# Altium PCB FMC_ADC_128CH_10B.PcbDoc (part 7 of 14) (continued)
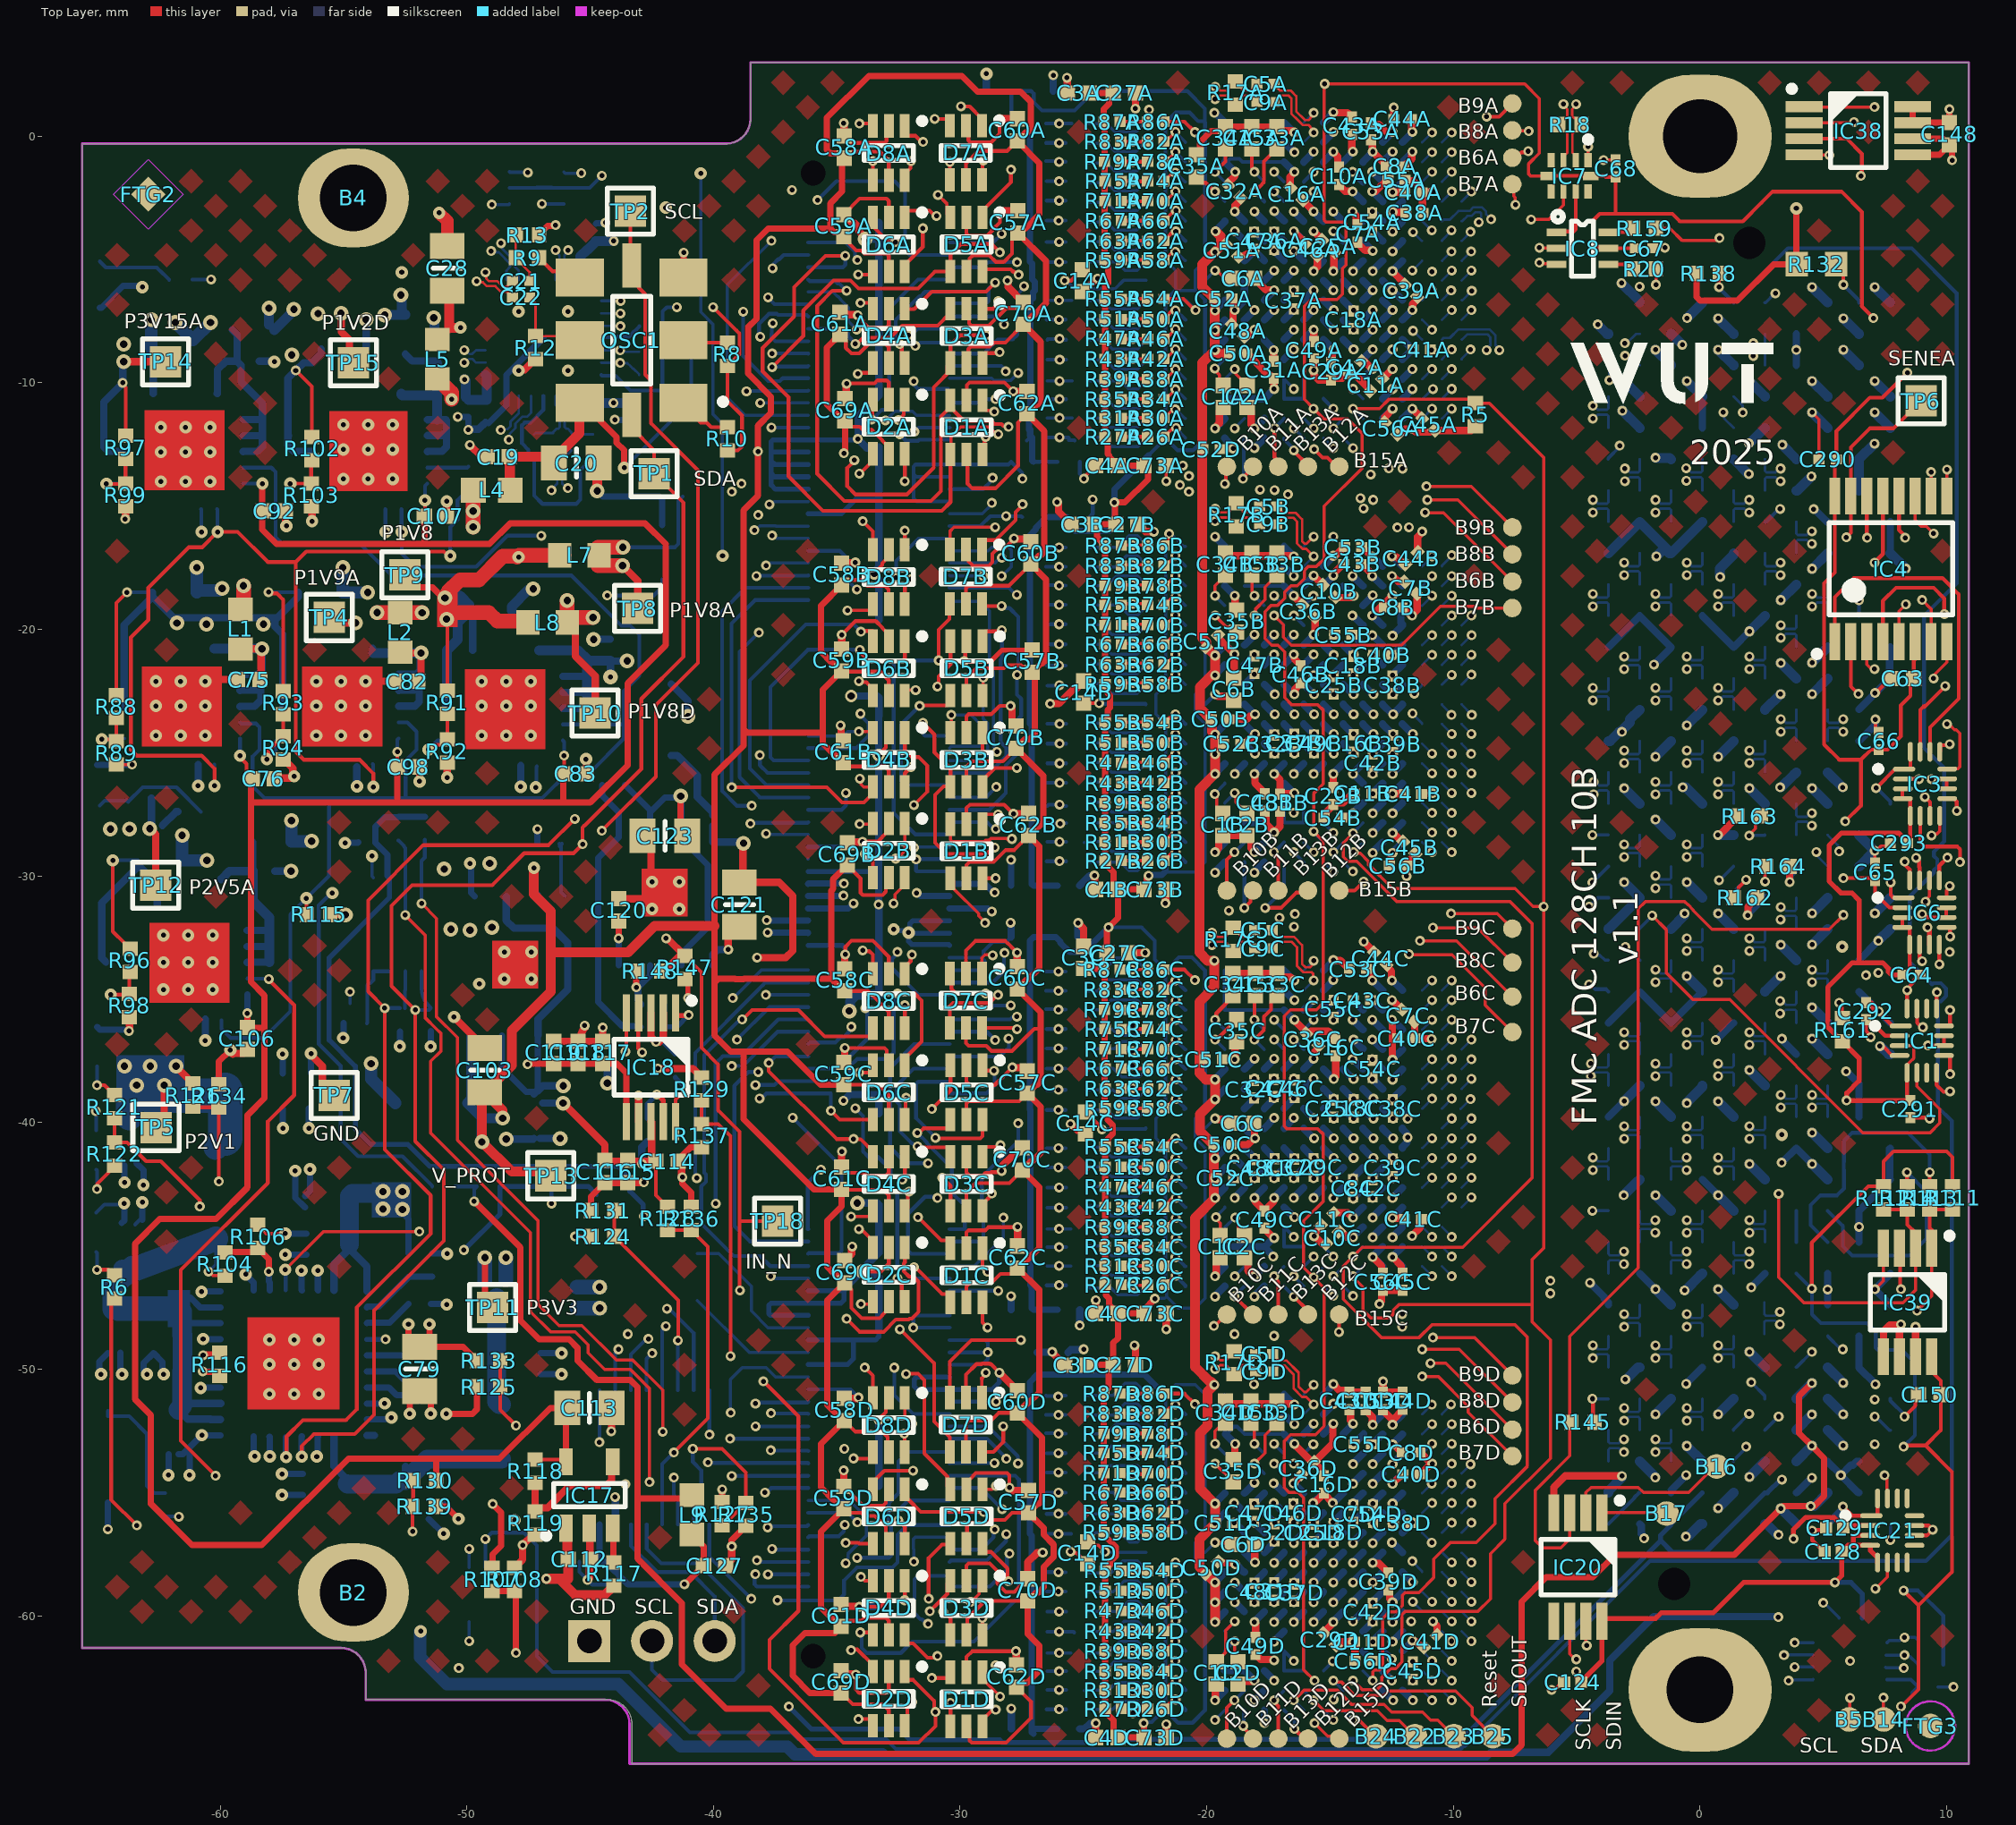
[diagram p0: Top Layer view]
## Nets (pads, with @x,y where several pads share a name; then routed paths per layer and width w, separated by ;. In a path a pad name is that pad's centre, name@x,y a point inside that pad or via, vN(x,y) a via of type N, cw(c..) or ccw(c..) an arc to the next point about the centre after c; other vN are vias at no path point) (continued)
  Top Layer w0.3: v1(-63.848,-15.519) -63.833,-15.504 R99.1@-63.833,-15.013 ; v1(-63.697,-36.283) -63.678,-36.264 R98.1@-63.678,-35.714 ; v2(-60.6,-22.1) -60.529,-22.029 C75.2@-59.287,-22.029 ; v2(-59.587,-37.058) -59.587,-37.117 -59.485,-37.219 -59.46,-37.194 -59.056,-37.194 C106.1@-58.896,-37.034 ; C76.1@-57.801,-26.052 -57.779,-26.03 -57.101,-26.03 -57.078,-26.007 -57.052,-26.007 v2(-57,-25.955) -57.052,-25.903 -57.052,-25.633 -57.359,-25.326 R94.1@-57.359,-25.301 ; C92.1@-57.351,-15.195 -57.351,-15.761 v2(-57.311,-15.8) ; v2(-56.316,-37.196) -56.316,-37.25 -55.854,-37.712 -55.854,-38.407 TP7.1@-55.369,-38.892 ; R103.1@-56.307,-15.013 -56.271,-15.049 v2(-56.271,-15.61) ; -53.635,-22.139 -53.596,-22.1 C82.2@-52.986,-22.1 ; v2@-51.913,-26.16 C98.1@-51.914,-25.574 ; C107.1@-50.82,-15.404 -50.811,-15.395 v2(-50.811,-14.803) ; v2(-50.792,-26) -50.792,-25.408 R92.1@-50.788,-25.403 ; v2(-50.514,-35.714) -49.264,-36.965 C103.1@-49.264,-36.971 ; v1(-49.877,-12.515) -49.395,-12.998 C19.1@-49.176,-12.998 ; R108.1@-48.066,-58.05 -47.736,-57.72 v1(-47.736,-57.132) -47.304,-56.7 R119.1@-47.229,-56.7 ; v2(-47.9,-9.5) -47.862,-9.462 -47.649,-9.462 -47.229,-9.042 R12.1@-47.209,-9.042 ; C119.1@-46.477,-36.704 C118.2@-45.489,-36.704 ; v1(-45.224,-36.065) -45.196,-36.128 ccw(c-44.762,-36.562) -45.375,-36.589 C118.2@-45.489,-36.704 ; v2(-45.167,-25.26) -45.142,-25.285 C83.1@-45.142,-25.851 ; v1(-45.103,-58.545) -45.031,-58.474 -45.031,-57.749 C112.1@-44.981,-57.699 -45.006,-57.674 -45.006,-56.474 IC17.2@-45.031,-56.449 ; v1(-44.49,-36.14) C117.1@-44.49,-36.704 C118.2@-45.489,-36.704 ; C116.1@-44.403,-42.432 C115.2@-43.481,-42.432 -42.831,-42.432 v1(-42.822,-42.423) ; v1(-44.14,-52.517) -44.131,-52.507 C113.1@-44.131,-51.569 ; C120.2@-43.832,-30.919 -42.901,-30.919 v2(-42.486,-31.334) ; IC18.7@-43.032,-39.953 v1(-43.032,-38.892) ; C123.1@-42.869,-28.367 -42.533,-28.704 -42.533,-30.187 v2(-42.486,-30.234) ; IC18.3@-42.532,-35.553 -42.532,-36.525 -42.333,-36.724 v1(-42.326,-36.724) -42.187,-36.724 -42.032,-36.569 IC18.2@-42.032,-35.553 ; C114.1@-41.319,-41.564 -41.288,-41.595 -41.288,-42.185 v1(-41.261,-42.212) ; C127.1@-39.501,-57.96 -39.258,-57.718 v1(-39.258,-57.184) ; v1(-39.402,-32.98) -39.402,-32.055 C121.1@-38.944,-32.055 ; v1(-34.845,-23.889) -34.826,-23.908 -34.826,-24.409 C61B.2@-34.728,-24.507 ; C61D.2@-34.816,-59.531 -34.733,-59.614 -34.103,-59.614 v1(-34.083,-59.633) ; C61C.2@-34.804,-41.802 -34.804,-41.174 v1(-34.795,-41.165) ; C59B.2@-34.804,-20.789 -34.801,-20.786 -34.801,-20.22 v1(-34.797,-20.216) ; C58B.2@-34.804,-17.304 -34.271,-17.304 v1(-34.25,-17.283) ; v1(-34.72,0.531) -34.705,0.517 -34.705,0.027 C58A.2@-34.691,0.013 ; C59D.2@-34.718,-54.755 -34.717,-54.754 -34.717,-54.1 v1(-34.715,-54.098) ; C59C.2@-34.718,-37.559 -34.677,-37.518 v1(-34.677,-36.971) ; C59A.2@-34.718,-3.175 -34.388,-3.505 -34.301,-3.505 -34.112,-3.693 -34.112,-3.828 -33.855,-4.085 v3(-33.855,-4.167) ; C58D.2@-34.693,-51.181 -34.16,-51.181 v1(-34.119,-51.14) ; C69C.2@-34.677,-45.596 -34.396,-45.315 -34.392,-45.311 -34.392,-45.041 v1(-34.373,-45.022) ; C58C.2@-34.677,-33.757 -34.677,-33.2 v1(-34.652,-33.175) ; C69D.2@-34.668,-62.223 -34.668,-62.352 -34.656,-62.363 -34.249,-62.363 v1(-34.23,-62.383) ; C69A.2@-34.668,-10.642 -34.618,-10.593 -34.618,-10.048 v1(-34.599,-10.029) ; C61A.2@-34.668,-7.133 -34.565,-7.236 -34.166,-7.236 v1(-34.147,-7.255) ; C69B.2@-34.576,-28.653 -34.545,-28.622 -33.975,-28.622 v1(-33.956,-28.603) ; v1(-28.404,-50.136) -28.404,-50.147 C60D.2@-27.683,-50.869 ; v1(-28.398,0.709) v1(-28.398,0.709) -27.684,0.71 C60A.2@-27.683,0.711 ; v1(-28.378,-3.068) -28.333,-3.022 C57A.2@-27.657,-3.022 ; v1(-28.312,-41.958) -28.293,-41.939 -28.293,-41.75 -27.897,-41.354 -27.809,-41.354 C70C.2@-27.479,-41.024 ; v1(-28.077,-5.849) -28.058,-5.868 -28.058,-6.107 -27.437,-6.727 C70A.2@-27.437,-6.735 ; v1(-28.002,-54.801) -27.975,-54.801 -27.858,-54.918 C57D.2@-27.23,-54.918 ; v1(-27.951,-23.1) -27.892,-23.159 -27.892,-23.761 C70B.2@-27.733,-23.919 ; v1(-27.878,-37.757) -27.865,-37.769 -27.414,-37.769 C57C.2@-27.277,-37.906 ; v1(-27.842,-10.344) -27.839,-10.347 -27.29,-10.347 C62A.2@-27.287,-10.35 ; v1(-27.839,-27.476) -27.831,-27.468 -27.234,-27.468 C62B.2@-27.226,-27.461 ; v1(-27.819,-16.31) -27.8,-16.329 -27.252,-16.329 C60B.2@-27.133,-16.447 ; v1(-27.733,-61.431) -27.721,-61.444 -27.721,-61.981 C62D.2@-27.708,-61.994 ; v1(-27.687,-33.107) -27.685,-33.11 -27.685,-33.671 C60C.2@-27.683,-33.673 ; C62C.2@-27.67,-44.998 v1(-27.67,-44.225) ; C70D.2@-27.262,-58.495 -27.262,-57.823 -26.887,-57.448 -26.671,-57.448 v1(-26.652,-57.429) ; v1(-26.347,-23.007) -25.995,-23.007 -25.408,-22.421 -25.32,-22.421 C14B.1@-24.99,-22.091 ; v1(-26.27,-49.297) -26.27,-49.321 C3D.2@-25.763,-49.827 ; v1(-26.064,-14.83) -26.059,-14.835 -26.011,-14.835 -26.011,-15.216 C3B.2@-25.493,-15.734 ; v1(-25.666,2.371) -25.658,2.363 -25.658,1.768 C3A.2@-25.65,1.76 ; v1(-25.526,-40.051) -25.499,-40.051 -25.249,-40.301 -25.082,-40.301 C14C.1@-24.922,-40.461 ; v1(-25.215,-31.902) -24.99,-32.127 C3C.2@-24.99,-32.845 ; v1(-24.554,-29.973) -24.535,-29.992 -24.535,-30.507 C4B.2@-24.5,-30.542 ; C4D.2@-24.5,-64.933 v1(-24.5,-64.353) ; C4C.2@-24.5,-47.737 v1(-24.5,-47.2) ; C27C.2@-23.15,-33.11 v1(-22.496,-33.11) ; v1(-22.927,-49.034) -22.927,-49.061 -22.889,-49.1 C27D.2@-22.889,-49.82 ; v1(-22.889,1.123) C27A.2@-22.889,1.76 ; C27B.2@-22.788,-15.734 -22.492,-16.03 -22.153,-16.03 v1(-22.143,-16.039) ; v1(-21.674,-31.098) -21.659,-31.083 -21.659,-30.556 C73B.2@-21.645,-30.542 ; C73D.2@-21.645,-64.933 v1(-21.645,-64.394) ; v1(-21.645,-48.374) C73C.2@-21.645,-47.737 ; v1(-19.667,-63.425) -19.648,-63.406 -19.648,-62.795 C1D.1@-19.612,-62.759 ; v1(-19.667,-46.23) -19.667,-46.203 -19.617,-46.153 -19.617,-45.637 C1C.1@-19.457,-45.477 ; v1(-19.667,-29.034) -19.667,-29.007 -19.517,-28.857 -19.517,-28.521 C1B.1@-19.357,-28.361 C2B.1@-18.367,-28.361 -18.207,-28.521 -18.207,-28.867 -18.067,-29.007 v1(-18.067,-29.034) ; v1(-19.667,-11.845) -19.667,-11.818 -19.488,-11.639 -19.488,-11.161 C1A.1@-19.328,-11.001 ; C50D.1@-19.544,-57.795 -19.527,-57.778 -19.456,-57.778 -19.38,-57.854 -18.989,-57.854 -18.955,-57.888 -18.857,-57.888 v1(-18.837,-57.907) ; C51B.1@-19.536,-20.228 -19.554,-20.246 -19.554,-20.316 -19.38,-20.49 -19.38,-20.502 -19.201,-20.681 -19.194,-20.681 v1@-18.895,-20.979 ; C52D.1@-19.458,-12.688 v1(-18.93,-12.66) ; C51C.1@-19.368,-37.434 v1(-18.867,-37.434) -18.848,-37.415 -18.848,-36.786 C35C.1@-18.783,-36.721 ; C34D.1@-19.242,-51.289 -19.125,-51.406 -16.464,-51.406 v1(-16.445,-51.425) ; C34B.1@-19.242,-16.897 -19.125,-17.015 -16.486,-17.015 v1(-16.467,-17.034) ; C32A.1@-19.126,-1.984 -19.144,-1.966 -19.144,-1.896 -18.864,-1.616 -18.864,-1.464 v1(-18.845,-1.445) ; C50B.1@-19.109,-23.634 -18.375,-23.634 -18.264,-23.523 ; C50C.1@-19.013,-40.89 -18.332,-40.89 -18.072,-40.63 v1(-18.045,-40.63) -18.064,-40.611 -18.064,-40.056 C6C.1@-18.093,-40.026 ; C52A.1@-18.978,-6.577 -18.953,-6.577 -18.903,-6.627 -18.903,-6.982 -18.867,-7.018 v1(-18.867,-7.045) -18.867,-7.072 -18.931,-7.136 C48A.1@-18.931,-7.633 ; C34C.1@-18.942,-33.947 C15C.1@-18.019,-33.947 C33C.1@-17.163,-33.947 -17.017,-34.093 -16.609,-34.093 -16.472,-34.23 v1(-16.445,-34.23) ; C35D.1@-18.926,-53.665 -18.863,-53.603 -18.863,-53.045 v1(-18.844,-53.026) ; C6B.1@-18.906,-21.971 -18.891,-21.956 -18.891,-21.014 v1(-18.876,-20.999) ; v1(-18.867,-18.634) -18.848,-18.653 -18.848,-19.146 C35B.1@-18.783,-19.211 ; C2D.1@-18.727,-62.759 -18.613,-62.645 -18.086,-62.645 v1(-18.067,-62.625) ; C51A.1@-18.726,-4.874 -18.638,-4.891 -18.124,-4.662 v1(-18.067,-4.645) C47A.1@-18.067,-4.654 ; C52B.1@-18.624,-24.638 -18.574,-24.588 -18.399,-24.588 v1@-18.064,-24.253 ; C2C.1@-18.472,-45.477 -18.337,-45.612 -18.337,-45.998 -18.124,-46.21 -18.086,-46.21 v1(-18.067,-46.23) ; C50A.1@-18.376,-8.796 -18.301,-8.846 -17.677,-9.522 ccw(c-17.486,-9.345) -17.624,-9.566 -17.336,-9.745 C31A.1@-17.286,-9.82 -17.277,-9.83 -17.277,-10.236 v1(-17.267,-10.245) ; C2A.1@-18.361,-11.001 -18.201,-11.161 -18.201,-11.684 -18.067,-11.818 v1(-18.067,-11.845) ; C6A.1@-18.074,-5.762 -17.609,-6.226 -17.286,-6.226 v1(-17.267,-6.245) ; C6D.1@-18.069,-57.107 -18.057,-57.119 -18.057,-57.814 v1(-18.045,-57.825) ; C49D.1@-18.019,-61.568 -18.019,-61.593 -17.969,-61.643 -17.944,-61.643 -17.815,-61.772 v1@-17.244,-61.772 ; C49C.1@-17.663,-44.279 -17.663,-44.304 -17.313,-44.654 -17.285,-44.654 v1(-17.266,-44.673) ; C48B.1@-17.641,-27.363 -17.591,-27.413 -17.591,-27.883 -17.267,-28.207 v1(-17.267,-28.234) -17.029,-27.996 C31B.1@-17.029,-27.379 ; C33A.1@-17.163,0.391 -17.003,0.231 -16.549,0.231 -16.472,0.155 v1(-16.445,0.155) ; C16A.1@-16.605,-2.09 -16.622,-2.072 -16.622,-1.65 -16.445,-1.472 v1(-16.445,-1.445) ; v1(-16.467,-18.634) -16.467,-18.647 -16.119,-18.995 C36B.1@-16.119,-19.009 ; v1(-16.445,-53.025) -16.445,-53.051 -15.726,-53.77 C36D.1@-15.656,-53.77 ; v1(-16.445,-35.83) -16.445,-35.857 C36C.1@-16.089,-36.212 ; v1(-16.445,-22.634) -16.426,-22.615 -16.426,-22.428 -16.193,-22.195 C46B.1@-16.193,-22.17 ; C36C.1@-15.964,-36.377 -15.946,-36.395 -15.875,-36.395 -15.77,-36.29 -15.078,-36.29 -14.849,-36.519 -14.824,-36.519 -14.774,-36.569 C16C.1@-14.774,-36.594 ; v1(-15.667,-57.048) C25D.1@-15.656,-57.037 ; v1(-15.667,-17.811) -15.667,-17.814 -15.286,-18.194 C10B.1@-15.286,-18.196 ; v1(-15.667,-5.468) -15.667,-5.44 -15.516,-5.289 -15.516,-4.857 C46A.1@-15.534,-4.839 ; C49A.1@-15.645,-9.02 -15.656,-9.031 -15.656,-9.479 v1(-15.667,-9.49) -15.648,-9.509 -15.648,-9.695 -15.461,-9.881 C29A.1@-14.969,-9.881 -14.969,-9.856 -14.919,-9.806 -14.509,-9.806 -14.293,-9.591 -14.071,-9.591 -13.38,-10.282 C11A.1@-13.38,-10.332 ; C11C.1@-15.365,-44.162 -15.365,-44.232 -15.626,-44.494 -15.626,-44.589 v1(-15.645,-44.608) -15.618,-44.608 -15.314,-44.913 -15.25,-44.913 -15.233,-44.93 -15.162,-44.93 C10C.1@-15.144,-44.913 ; C16D.1@-15.256,-54.321 -15.306,-54.271 -15.306,-54.119 C36D.1@-15.656,-53.77 ; C54B.1@-15.236,-27.638 -15.211,-27.638 -15.161,-27.588 -15.161,-27.419 -14.867,-27.125 C29B.1@-14.867,-27.1 -14.867,-27.084 -14.817,-27.034 -14.472,-27.034 -14.094,-26.656 v1(-14.067,-26.656) ; v1@-14.917,-16.989 -14.765,-16.989 -14.439,-16.663 C53B.1@-14.414,-16.663 ; C18D.1@-14.878,-57.049 v1(-14.867,-57.06) ; v1(-14.867,-52.203) -14.886,-52.222 -14.886,-52.765 -14.89,-52.768 -14.89,-53.003 C36D.1@-15.651,-53.765 C36D.1@-15.656,-53.77 ; v1(-14.867,-50.603) -14.609,-50.862 -14.264,-50.862 C43D.1@-14.218,-50.907 ; v1(-14.867,-33.407) -14.848,-33.426 -14.588,-33.426 -14.243,-33.771 C53C.1@-14.218,-33.771 ; v1(-14.867,-17.811) -14.848,-17.792 -14.848,-17.72 -14.47,-17.342 C43B.1@-14.445,-17.342 ; v1(-14.867,-5.468) -14.848,-5.448 -14.848,-4.828 -14.807,-4.787 -14.807,-4.717 C25A.1@-14.825,-4.699 ; v1(-14.867,-0.623) -14.867,-0.65 -14.692,-0.825 -14.692,-1.203 C10A.1@-14.642,-1.253 ; v1(-14.867,0.977) -14.848,0.958 -14.296,0.958 -14.192,0.854 -14.167,0.854 -14.117,0.804 C43A.1@-14.117,0.779 ; C29D.1@-14.766,-61.201 -14.748,-61.218 -14.677,-61.218 -14.507,-61.048 -14.267,-61.048 ; C43D.1@-14.218,-50.932 C10D.1@-13.555,-50.932 ; v1(-14.067,-61.062) -14.023,-61.062 -13.987,-61.098 C56D.1@-13.987,-61.825 ; C7A.1@-13.884,-4.294 -13.884,-4.319 -13.577,-4.626 -13.286,-4.626 v1(-13.267,-4.645) ; v1(-13.632,-32.656) -13.632,-32.66 -13.205,-33.087 C44C.1@-13.205,-33.091 ; C53A.1@-13.338,-0.147 -13.288,-0.197 -13.288,-0.575 -13.267,-0.596 v1(-13.267,-0.623) -12.798,-1.092 -12.798,-1.171 -12.748,-1.221 C8A.1@-12.723,-1.221 ; v1(-13.267,-57.848) -13.248,-57.867 -13.014,-57.867 -12.707,-58.175 -12.682,-58.175 -12.632,-58.225 C39D.1@-12.632,-58.25 ; v1(-13,-47.349) -13,-47.322 -12.914,-47.237 -12.914,-46.853 C56C.1@-12.864,-46.803 ; C56C.1@-12.864,-46.803 C45C.1@-12.065,-46.802 ; C53D.1@-12.851,-50.932 -12.849,-50.931 -12.066,-50.931 C44D.1@-12.064,-50.929 ; C53D.1@-12.851,-50.919 v1(-12.851,-50.491) ; v1(-12.467,-5.468) -12.467,-5.487 -11.96,-5.994 C39A.1@-11.96,-6.013 ; C44A.1@-12.446,0.737 C44A.1@-12.412,0.703 v1@-12.412,1.176 ; C56A.1@-12.278,-12.093 -12.26,-12.11 -12.189,-12.11 -11.949,-11.87 -11.718,-11.87 v1(-11.699,-11.851) -11.672,-11.851 -11.525,-11.997 C45A.1@-10.94,-11.997 ; C8B.1@-12.092,-19.101 -12.067,-19.101 -11.734,-19.434 v1(-11.672,-19.434) -11.672,-19.407 -11.469,-19.204 -11.469,-18.575 C7B.1@-11.487,-18.557 ; C55A.1@-11.954,-1.757 -11.904,-1.807 -11.646,-1.807 -11.35,-2.103 -11.35,-2.221 -11.277,-2.293 C40A.1@-11.252,-2.293 ; v1(-11.901,-30.001) -11.897,-29.997 -11.897,-29.578 C56B.1@-11.892,-29.574 -11.867,-29.574 -11.817,-29.524 -11.817,-29.417 -11.538,-29.138 C45B.1@-11.538,-29.09 ; v1(-11.678,-44.596) -11.678,-44.583 -11.36,-44.265 -11.36,-43.961 -11.31,-43.911 C41C.1@-11.285,-43.911 ; C7C.1@-11.589,-35.908 -11.571,-35.926 -11.571,-36.566 C40C.1@-11.56,-36.577 -11.547,-36.59 -10.897,-36.59 v1(-10.884,-36.603) ; C44B.1@-11.449,-16.866 -11.431,-16.848 -11.431,-16.777 -11.449,-16.76 -11.449,-16.238 -11.264,-16.053 v1(-11.264,-16.026) ; C8D.1@-11.364,-53.375 -11.339,-53.375 -10.908,-53.806 -10.88,-53.806 v1(-10.861,-53.826) -10.88,-53.845 -10.924,-53.845 -11.331,-54.252 C40D.1@-11.356,-54.252 ; C41B.1@-11.285,-26.663 -11.278,-26.656 v1@-10.822,-26.656 ; C38A.1@-11.23,-3.1 -11.252,-3.077 C40A.1@-11.252,-2.293 ; v1(-10.827,-60.223) -10.827,-60.25 -10.661,-60.416 -10.661,-60.767 C41D.1@-10.679,-60.785 ; v1(-10.822,-2.245) -10.835,-2.258 -11.262,-2.258 C40A.1@-11.275,-2.271 C40A.1@-11.252,-2.293 ; C45A.1@-10.767,-11.93 -9.28,-11.93 R5.1@-9.112,-11.763 ; IC20.4@-5.928,-55.818 -5.928,-54.786 -5.466,-54.324 v1(-3.167,-54.324) ; v1(0.723,-28.334) 0.742,-28.315 0.8,-28.315 1.536,-27.58 R163.1@1.536,-27.56 ; v1(1.929,-31.588) 1.948,-31.568 1.948,-31.249 2.303,-30.894 R162.1@2.303,-30.874 ; v1(3.633,-30.241) R164.1@3.633,-29.604 ; C292.2@6.733,-35.126 6.733,-35.151 6.783,-35.201 6.934,-35.201 7.215,-35.482 v1(7.242,-35.482) ; IC39.5@7.437,-49.487 7.437,-48.461 7.698,-48.2 8.121,-48.2 v1(8.141,-48.181) ; IC39.6@8.087,-49.487 v1@8.087,-48.308 ; IC39.7@8.737,-49.487 v1(8.737,-48.274)
  Top Layer w0.4: v3(-44.71,-14.381) C20.1@-44.71,-13.298
  Top Layer w0.5: v2(-51.124,-3.103) -50.788,-3.439 C28.1@-50.788,-4.457
  Bottom Layer w0.127: C295.2@-54.731,-35.163 v1(-54.731,-34.696) ; v2(-53.844,-29.188) -53.844,-30.007 IC55.1@-53.787,-30.063 ; T2.4@-49.897,-58.042 v1(-49.897,-57.287) ; v1(-48.984,-2.766) -48.287,-2.766 T1.1@-48.264,-2.744 ; T1.4@-46.064,-1.444 -46.014,-1.494 v1(-45.359,-1.494) ; IC5.1@-44.544,-6.678 v1(-43.761,-6.678) ; v1(-19.667,-64.225) U1D.E17@-19.267,-63.825 ; U1B.K1@-15.267,-16.634 v1(-14.867,-16.234) ; v1(-4.364,-51.194) J6.k36@-3.717,-51.194 ; v1(-4.364,-43.574) J6.k30@-3.717,-43.574 ; v1(-4.364,-28.334) J6.k18@-3.717,-28.334 ; J6.k27@-3.717,-39.764 J6.k27@-3.711,-39.764 ; J6.k6@-3.717,-13.094 -3.717,-13.05 -3.254,-12.587 v1(-3.254,-12.542) ; J6.k3@-3.717,-9.284 -3.678,-9.324 v1(-3.678,-9.885) ; v1@-2.349,-56.703 -2.265,-56.787 v1(-2.265,-56.861) ; J6.e1@2.633,-6.744 2.656,-6.744 3.034,-6.367 v1(3.057,-6.367) ; v1(3.404,-61.595) 3.411,-61.588 4.578,-61.588 IC2.3@4.585,-61.58 ; v1(3.833,-61.08) IC2.4@4.585,-61.08 ; J6.b10@6.443,-18.174 v1(6.443,-18.821) v1@6.445,-18.817 ; v1(7.08,-51.92) 7.124,-51.92 7.669,-52.464 J6.a37@7.713,-52.464 ; IC2.7@7.525,-62.088 7.537,-62.1 8.244,-62.1 v1(8.264,-62.12) ; v1(7.713,-56.921) J6.a40@7.713,-56.274 ; C149.2@9.641,-62.876 C149.2@9.741,-62.876 v1(10.278,-62.876)
  Bottom Layer w0.152: LD3.1@-65.021,-43.646 -64.692,-43.317 -63.934,-43.317 v2(-63.888,-43.271) ; C87.1@-63.447,-44.131 C87.1@-63.154,-43.837 ; IC9.21@-61.541,-23.125 IC9.21@-60.891,-23.775 ; IC14.12@-60.774,-15.127 IC14.12@-60.764,-15.137 -60.764,-16.032 v2(-60.753,-16.042) ; IC10.17@-58.647,-46.835 IC10.17@-58.647,-46.798 ; IC10.5@-57.997,-52.733 IC10.5@-57.997,-52.723 ; C88.2@-57.461,-39.427 C88.2@-57.461,-39.417 ; C88.2@-57.461,-38.02 C88.2@-57.461,-38.009 ; IC10.20@-56.689,-46.808 IC10.20@-56.689,-46.798 ; C88.2@-56.411,-39.427 C88.2@-56.411,-39.417 ; C88.2@-56.306,-38.004 -56.306,-37.993 C88.2@-56.295,-37.993 ; IC10.2@-56.031,-52.733 IC10.2@-56.031,-52.723 ; IC10.21@-56.031,-46.808 IC10.21@-56.031,-46.798 ; IC12.21@-55.111,-23.116 IC12.21@-54.461,-23.766 ; IC16.12@-53.307,-15.127 IC16.12@-53.296,-15.137 -53.296,-16.032 v2(-53.286,-16.042) ; IC11.21@-48.46,-23.201 IC11.21@-47.81,-23.851 ; C125.1@-45.43,-57.802 -45.43,-58.218 v1(-45.103,-58.545) -44.918,-58.73 C126.2@-44.356,-58.73 ; J1.148@-36.158,-50.815 -34.445,-50.815 v1(-34.119,-51.14) ; v1(-32.448,-12.085) -32.183,-12.351 -31.706,-12.351 -31.665,-12.31 J1.33@-30.428,-12.31 ; J1.143@-30.428,-49.815 -29.159,-49.815 -29.114,-49.77 -29.057,-49.77 -28.875,-49.588 v1(-28.875,-49.315) ; J1.141@-30.428,-49.315 v1(-28.875,-49.315) ; J1.139@-30.428,-48.815 -28.985,-48.815 -28.875,-48.924 v1(-28.875,-49.315) ; J1.137@-30.428,-48.315 v1(-31.895,-48.315) -31.895,-47.889 -31.821,-47.815 J1.135@-30.428,-47.815 ; J1.99@-30.428,-33.812 -29.005,-33.812 -29.005,-33.443 -29.136,-33.312 ; J1.97@-30.428,-33.312 -29.136,-33.312 ; J1.83@-30.428,-29.812 -31.754,-29.812 -31.785,-29.781 v1(-31.785,-29.324) -31.785,-29.314 -31.787,-29.312 J1.81@-30.428,-29.312 ; J1.47@-30.428,-15.81 -29.179,-15.81 -28.773,-15.404 v1(-28.133,-15.404) -27.523,-15.404 C74B.2@-27.488,-15.439 ; J1.43@-30.428,-14.81 -31.759,-14.81 -31.886,-14.683 -31.886,-14.152 -31.874,-14.139 -31.874,-13.836 -31.886,-13.823 -31.886,-13.71 ; J1.39@-30.428,-13.81 -31.787,-13.81 -31.886,-13.71 ; C74C.2@-27.929,-32.47 -28.128,-32.669 -28.678,-32.669 -29.044,-33.035 -29.044,-33.22 -29.136,-33.312 ; v1(-27.475,-13.89) -27.475,-13.655 C26A.2@-27.929,-13.201 -28.039,-13.31 J1.37@-30.428,-13.31 -31.806,-13.31 -31.886,-13.39 -31.886,-13.71 ; C72A.2@-25.15,-13.201 -25.15,-13.686 -24.974,-13.862 v1(-24.974,-13.89) v1@-24.974,-13.916 ; C71B.2@-24.761,-15.449 -24.621,-15.308 v1(-24.621,-14.733) ; U1D.E1@-19.267,-51.025 U1D.E2@-19.267,-51.825 U1D.E3@-19.267,-52.625 -19.193,-52.625 -18.893,-52.326 -18.767,-52.326 U1D.F3@-18.467,-52.625 U1D.G3@-17.667,-52.625 U1D.H3@-16.867,-52.625 ; U1C.E1@-19.267,-33.83 U1C.E2@-19.267,-34.63 U1C.E3@-19.267,-35.43 U1C.F3@-18.467,-35.43 U1C.G3@-17.667,-35.43 U1C.H3@-16.867,-35.43 ; U1B.E3@-19.267,-18.234 U1B.E2@-19.267,-17.434 U1B.E1@-19.267,-16.634 ; U1A.E1@-19.267,0.555 U1A.E2@-19.267,-0.245 U1A.E3@-19.267,-1.045 -19.187,-1.045 -19.051,-0.91 -18.683,-0.91 -18.548,-1.045 U1A.G3@-17.667,-1.045 U1A.H3@-16.867,-1.045 ; U1B.F3@-18.467,-18.234 U1B.G3@-17.667,-18.234 U1B.H3@-16.867,-18.234 ; J6.e8@2.633,-15.634 2.679,-15.634 3.199,-15.114 v1(3.245,-15.114) ; J6.b11@6.443,-19.444 6.445,-19.442 v1@6.445,-18.817 ; J6.a36@7.713,-51.194 7.713,-51.275 8.291,-51.853 v1(8.291,-51.92) ; J6.a17@7.713,-27.064 7.713,-26.975 7.172,-26.434 v1(7.133,-26.434) 7.713,-25.854 J6.a16@7.713,-25.794
  Bottom Layer w0.2: v1(-42.326,-36.724) -42.058,-36.724 R143.1@-41.559,-37.223 ; J1.144@-36.158,-49.815 -34.569,-49.815 -34.324,-49.57 -34.324,-48.815 ; J1.140@-36.158,-48.815 -34.324,-48.815 ; J1.136@-36.158,-47.815 -37.683,-47.815 -37.759,-47.739 -37.759,-47.413 -37.661,-47.315 J1.134@-36.158,-47.315 -34.828,-47.315 -34.709,-47.196 -34.709,-46.815 ; J1.132@-36.158,-46.815 -34.709,-46.815 ; J1.96@-36.158,-32.812 -34.771,-32.812 -34.652,-32.931 v1(-34.652,-33.175) ; J1.84@-36.158,-29.812 -33.316,-29.812 J1.186@-33.298,-29.794 ; J1.80@-36.158,-28.812 -34.687,-28.812 -34.477,-28.603 v1(-33.956,-28.603) ; J1.46@-36.158,-15.31 -34.816,-15.31 -34.241,-14.735 J1.183@-33.293,-14.735 ; J1.42@-36.158,-14.31 -37.487,-14.31 -37.657,-14.14 -37.657,-13.671 ; J1.40@-36.158,-13.81 -37.518,-13.81 -37.657,-13.671 ; J1.38@-36.158,-13.31 -37.517,-13.31 -37.657,-13.169 ; J1.36@-36.158,-12.81 -37.632,-12.81 -37.657,-12.785 ; v1(-34.151,-12.272) -34.189,-12.31 J1.34@-36.158,-12.31 -37.582,-12.31 -37.657,-12.385 -37.657,-12.785 ; v3(-33.939,-46.035) -33.939,-46.045 -34.709,-46.815 ; J1.190@-33.293,-48.39 -33.293,-48.674 -33.434,-48.815 -34.324,-48.815 ; J1.145@-30.428,-50.315 -31.781,-50.315 -31.798,-50.332 -31.798,-50.351 -31.853,-50.406 -31.853,-50.697 -31.735,-50.815 -28.7,-50.815 -28.404,-50.519 v1(-28.404,-50.136) ; -37.657,-13.671 -37.657,-13.169 ; -37.657,-13.169 -37.657,-12.785
  Bottom Layer w0.254: LD4.1@-64.994,-25.499 -63.595,-25.499 v1(-63.571,-25.474) ; LD5.1@-64.992,-36.112 -64.874,-36.23 -63.749,-36.23 v1(-63.697,-36.283) ; v2(-64.825,-50.201) -64.891,-50.136 -64.891,-49.689 C85.1@-64.55,-49.349 ; C85.1@-64.052,-49.322 -64.052,-50.123 v2(-63.973,-50.201) ; C86.1@-64.013,-41.597 -63.876,-41.734 v2(-63.876,-42.421) ; C87.1@-63.984,-44.067 -63.888,-43.97 v2(-63.888,-43.271) ; C86.1@-63.401,-41.597 -63.401,-41.631 -63.108,-41.924 v2(-63.108,-42.525) ; C87.1@-63.154,-43.93 v2(-63.154,-43.23) ; v2(-62.969,-50.201) -63.095,-50.076 -63.095,-49.749 -62.694,-49.349 -62.333,-49.71 -62.333,-50.156 v2(-62.287,-50.201) ; v2@-62.095,-54.355 v2(-62.095,-54.295) C90.1@-62.095,-53.443 ; C90.1@-61.695,-53.443 -61.514,-53.443 v2(-60.742,-52.671) -60.735,-52.678 -59.984,-52.678 IC10.7@-59.977,-52.685 ; v2@-61.242,-54.352 v2(-61.242,-54.295) C90.1@-61.242,-53.439 ; v2(-60.787,-50.756) -60.777,-50.745 -59.987,-50.745 IC10.10@-59.977,-50.735 ; v2(-60.75,-46.856) -60.74,-46.846 -59.987,-46.846 IC10.16@-59.977,-46.835 ; v2(-60.689,-48.773) -60.684,-48.779 -59.983,-48.779 IC10.13@-59.977,-48.785 ; v2(-58.965,-46.149) -58.965,-46.168 -58.647,-46.485 IC10.17@-58.647,-46.798 ; IC10.5@-57.997,-52.733 -57.992,-52.739 -57.992,-53.526 v2(-57.987,-53.531) ; v2@-57.556,-54.246 v2(-57.496,-54.246) C94.1@-56.643,-54.246 ; v2@-57.552,-55.099 v2(-57.496,-55.099) C94.1@-56.64,-55.099 ; v2(-57.471,-37.212) -57.466,-37.217 -57.466,-38.004 C88.2@-57.461,-38.009 ; C88.2@-57.461,-39.427 -57.455,-39.433 -57.455,-40.22 v2(-57.45,-40.225) ; v2@-57.413,-44.5 v2(-57.353,-44.5) C97.1@-56.5,-44.5 ; v2@-57.409,-45.352 v2(-57.353,-45.352) C97.1@-56.496,-45.352 ; v2(-56.953,-41.953) -56.953,-43.044 C99.1@-56.559,-43.438 ; v2(-56.7,-46) -56.695,-46.005 -56.695,-46.792 IC10.20@-56.689,-46.798 ; C99.1@-56.562,-42.986 -56.361,-42.785 -56.361,-41.895 v2(-56.356,-41.89) ; C88.2@-56.411,-39.427 -56.405,-39.433 -56.405,-40.22 v2(-56.4,-40.225) ; v2(-56.316,-37.196) -56.311,-37.201 -56.311,-37.988 C88.2@-56.306,-37.993 ; C88.2@-56.295,-37.993 C88.2@-56.29,-37.988 ; v2(-56.082,-53.537) -56.054,-53.509 -56.054,-52.756 IC10.2@-56.031,-52.733 ; v2(-56.042,-46) -56.037,-46.005 -56.037,-46.792 IC10.21@-56.031,-46.798 ; v2(-54.935,-28.654) -54.922,-28.641 -54.415,-28.641 C294.1@-54.402,-28.628 ; IC10.30@-54.052,-51.385 v2(-53.326,-51.385) ; IC10.27@-54.052,-49.435 -52.26,-49.435 C80.1@-51.911,-49.086 ; C80.1@-52.364,-49.09 v2(-52.364,-48.177) ; C91.1@-51.538,-56.067 v2(-50.935,-56.67) v2@-50.893,-56.712 ; C80.1@-51.511,-49.086 v2(-51.511,-48.174) ; C100.1@-51.461,-47.354 -50.834,-47.354 v2(-50.815,-47.373) ; R110.1@-51.396,-45.298 -51.389,-45.305 -50.805,-45.305 v2(-50.797,-45.313) ; C105.2@-51.282,-8.219 C105.2@-51.2,-8.301 ; C91.1@-50.938,-55.462 -50.936,-55.464 v2(-50.333,-56.067) v2@-50.293,-56.107 ; v1(-50.361,-11.372) -50.352,-11.382 C12.1@-49.938,-11.382 ; v1(-49.937,-11.901) C12.1@-49.938,-11.382 ; v2(-49.87,-29.484) -49.823,-29.532 -49.823,-30.68 IC13.1@-49.684,-30.819 ; C17.1@-49.116,-11.626 -48.394,-10.904 IC5.14@-48.394,-10.529 -48.392,-10.526 -48.392,-9.676 IC5.29@-46.894,-8.178 ; C102.2@-47.139,-28.693 v1(-47.139,-28.1) ; C95.1@-47.015,-49.348 v2(-46.159,-49.348) v2@-46.103,-49.348 ; C95.1@-47.012,-50.2 v2(-46.159,-50.2) v2@-46.099,-50.2 ; C13.1@-44.756,-3.537 -44.746,-3.527 -44.402,-3.527 v1(-44.374,-3.499) ; v3(-44.71,-14.381) -44.487,-14.604 R123.1@-42.183,-14.604 -42.074,-14.713 T3.4@-42.074,-15.771 ; v1(-44,-11.496) -43.987,-11.509 -43.333,-11.509 C30.1@-43.319,-11.522 ; v1(-27.934,-29.342) -27.929,-29.346 C26B.2@-27.929,-30.389